# Altium PCB HW_RV_TOUCH_R1M1.PcbDoc (part 5 of 5)
Units mil, origin at the board's own origin, x right, y up, seen from the top; angles counter-clockwise.
Board outline 7086.61 x 4330.71 mil, 6 copper layers (Top Layer, Int1 (GND), Int2 (Sig), Int3 (PWR), Int4 (GND), Bottom Layer), stack 77.316 mil thick; 341 components, 211 nets, 1147 pads, 844 vias.
Unrouted connection lines stored in the file: 123.
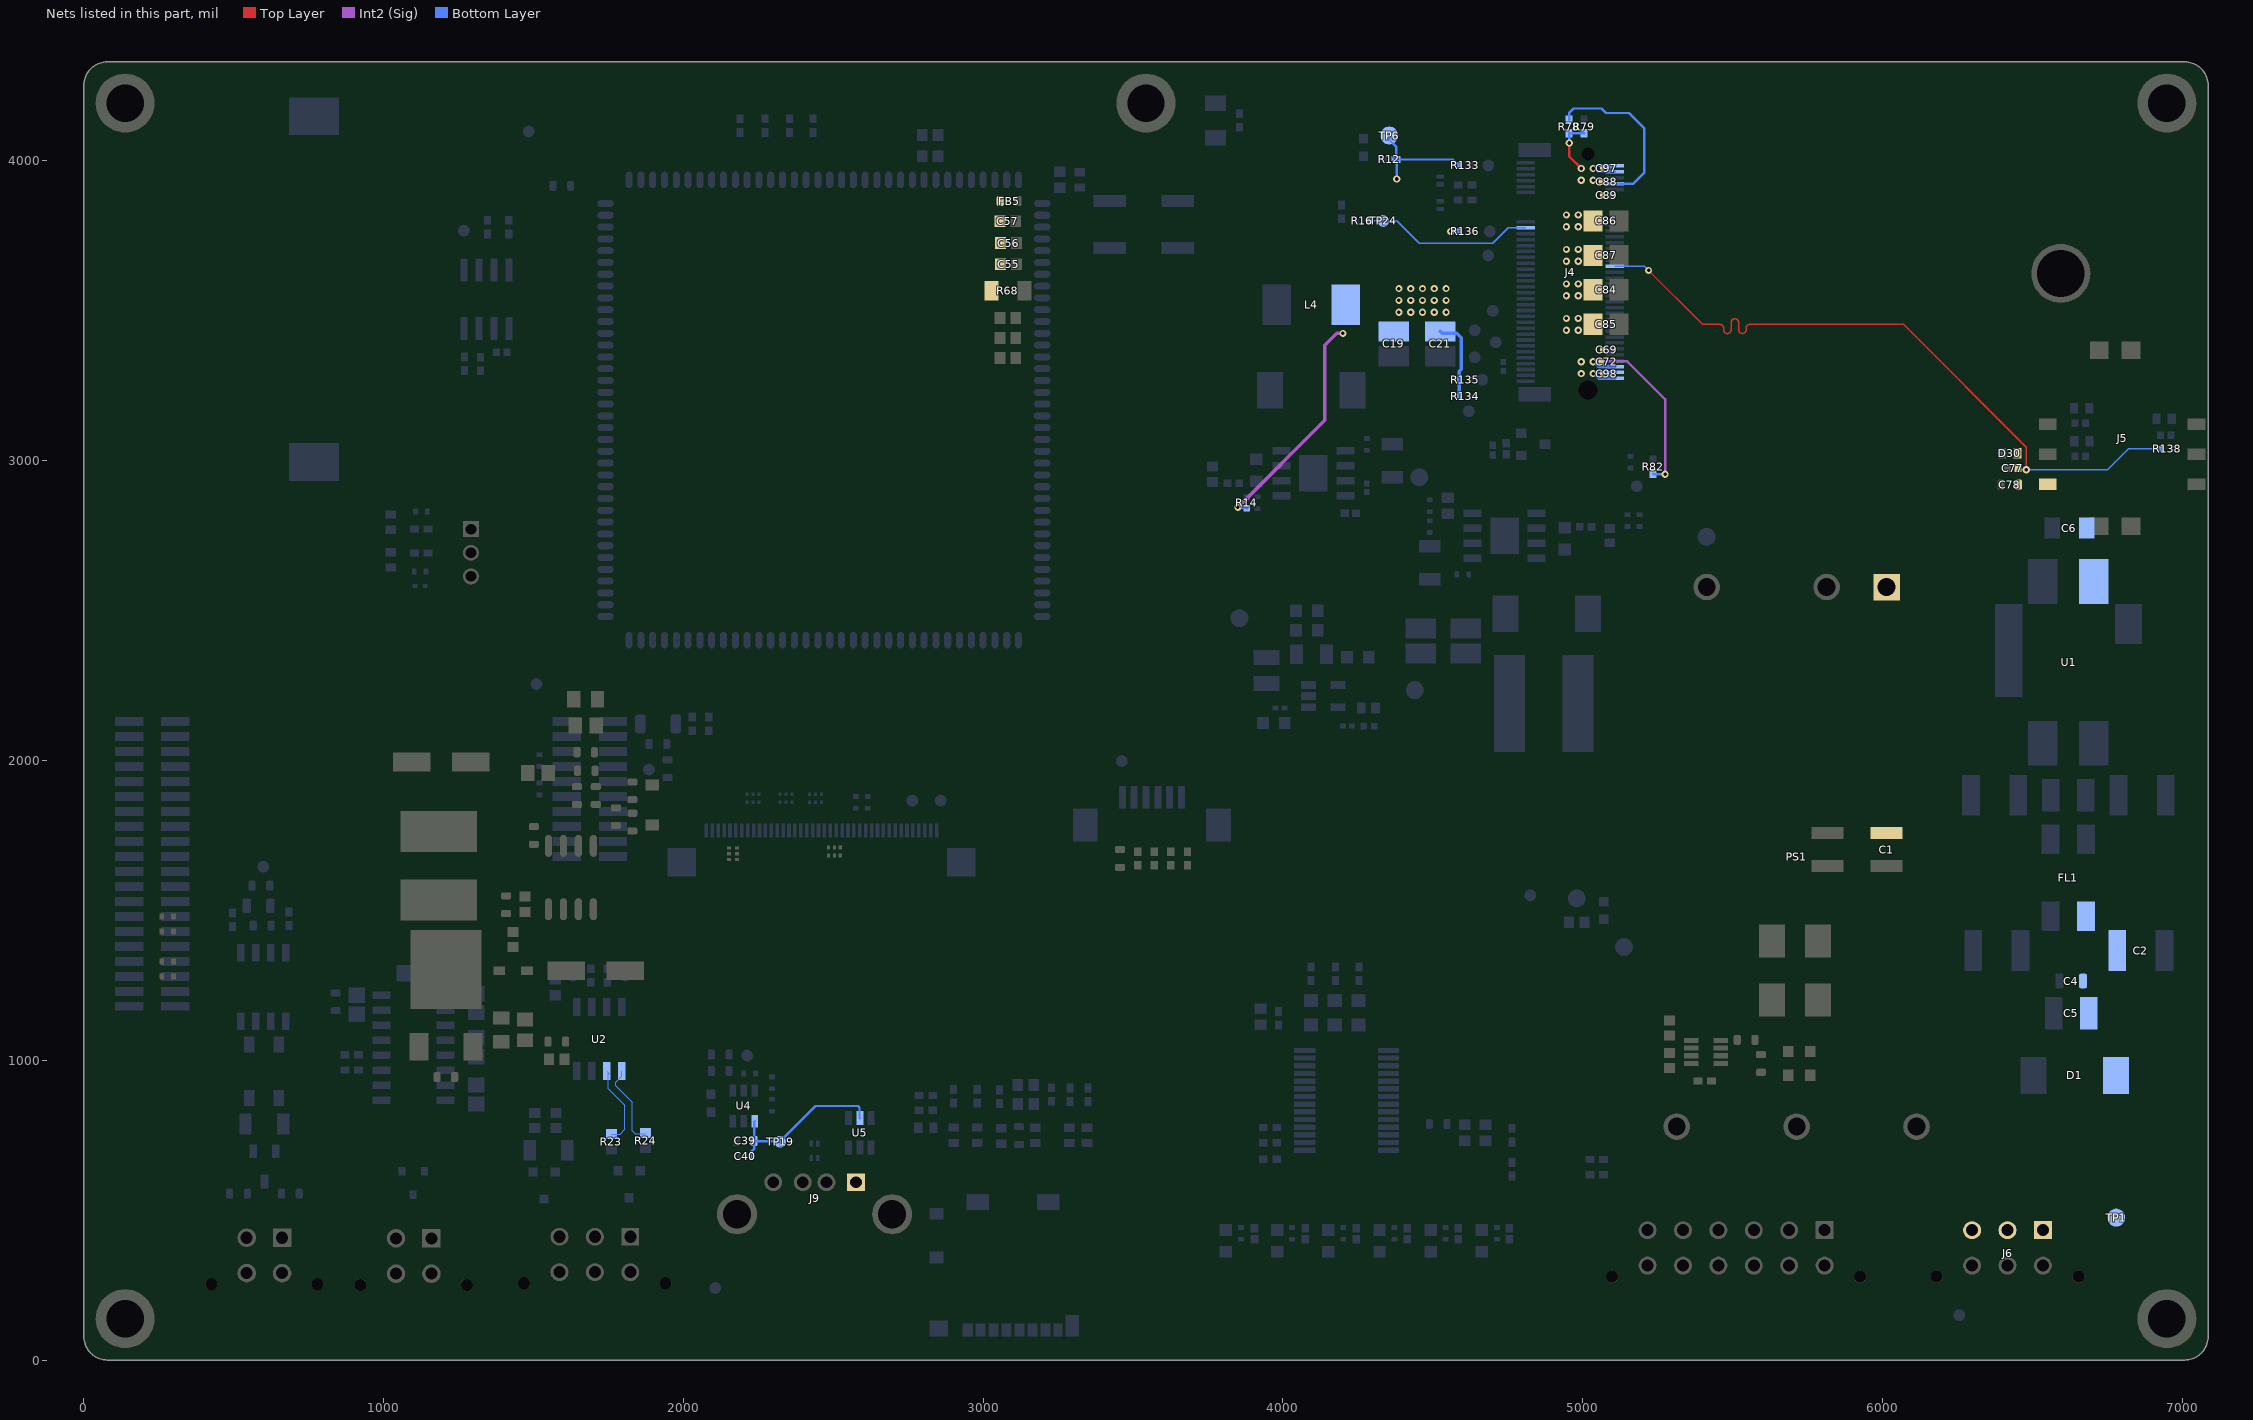
[diagram p9: the nets of this part, all layers, seen from the top]

## Via types
v1: diameter 24.02, hole 12.01, Top Layer to Bottom Layer, tented both sides, 744 vias
v2: diameter 16.14/16.14/16.14/16.14/16.14/16.14 (per signal layer), hole 8.07, Top Layer to Bottom Layer, tented both sides, 71 vias
v3: diameter 16.14, hole 8.07, Top Layer to Bottom Layer, tented both sides, 12 vias
v4: diameter 24.02, hole 12.01, Top Layer to Bottom Layer, 11 vias
v5: diameter 47.24, hole 24.02, Top Layer to Bottom Layer, tented both sides, 6 vias

## Nets (pads, with @x,y where several pads share a name; then routed paths per layer and width w, separated by ;. In a path a pad name is that pad's centre, name@x,y a point inside that pad or via, vN(x,y) a via of type N, cw(c..) or ccw(c..) an arc to the next point about the centre after c; other vN are vias at no path point) (continued)
VCC_GSM: C19.1 C21.1 C69.2 C72.2 C84.1 C85.1 C86.1 C87.1 C88.2 C89.2 C97.1 C98.1 J4.2 J4.4 J4.70 J4.72 J4.74 L4.2 R12.2 R14.2 R78.2 R79.2 R82.2 R133.2 R134.2 R135.2 R136.2 TP6.1 | length 2690.8
  Top Layer w8: v1(4955,4060) 4955,4015.63 v1(4995.63,3975)
  Int2 (Sig) w8: v1(5035,3330) 5036.69,3331.69 5148.31,3331.69 5275,3205 v1(5275,2955)
  Int2 (Sig) w12: v1(3850,2845) 4140,3135 4140,3385 4180,3425 v1(4200,3425)
  Bottom Layer w8: TP6.1@4355,4085 4355,4070.93 4377.64,4048.29 R12.2@4377.64,4005 4380,4002.64 v1(4380,3940) ; R12.2@4366.87,4013.13 4366.87,4012.81 4374.69,4005 4565.63,4005 4579.79,3990.84 4581.76,3990.84 4585.63,3986.97 R133.2@4585.63,3985 ; v1(4560,3765) R136.2@4587.95,3765 ; v1(4955,4060) R78.2@4955,4092.36 R79.2@5005,4092.36 ; v1(5035,3290.63) 5037.2,3292.83 5105.46,3292.83 J4.72@5107.24,3294.61 ; v1(5035,3330) 5050.71,3314.29 J4.70@5107.24,3314.29 ; J4.4@5107.24,3963.9 5050.44,3963.9 5039.33,3975 v1(5035,3975) 5037.83,3975 5046.42,3983.58 J4.2@5107.24,3983.58 ; R82.2@5235,2957.36 5237.36,2955 v1(5275,2955)
  Bottom Layer w12: v1(3850,2845) 3877.28,2845 R14.2@3880,2842.28 ; C21.1@4525,3431.36 4531.36,3425 4580,3425 4595,3410 4595,3305 4587.95,3297.95 R135.2@4587.95,3270 R134.2@4587.95,3215 ; v1(5035,3290.63) 5038.25,3290.63 5053.96,3274.92 J4.74@5107.24,3274.92 ; v1(5035,3330) 5038.25,3330 5053.96,3314.29 J4.70@5107.24,3314.29
  other v1: 4995.63,3290.63 4995.63,3330 4945.63,3435.63 4985,3435.63 4945.63,3475 4985,3475 4386.89,3495.63 4426.26,3495.63 4465.63,3495.63 4505,3495.63 4544.37,3495.63 4386.89,3535 4426.26,3535 4465.63,3535 4505,3535 4544.37,3535 4945.63,3550.63 4985,3550.63 4386.89,3574.37 4426.26,3574.37 4465.63,3574.37 4505,3574.37 4544.37,3574.37 4945.63,3590 4985,3590 4945.63,3665.63 4985,3665.63 4945.63,3705 4985,3705 4945.63,3780.63 4985,3780.63 4945.63,3820 4985,3820 4995.63,3935.63 5035,3935.63
VCC_USB_HOST: C39.2 C40.2 J9.1 TP19.1 U4.1 U5.5 | length 563.2
  Bottom Layer w8: C40.2@2225.99,679.63 2228.67,682.31 2228.67,696.98 2235.84,704.14 C39.2@2235.84,730.82 ; U4.1@2238.79,796.86 2235.84,793.91 C39.2@2235.84,730.82 ; U5.5@2588.58,807.09 2587.6,808.07 2587.6,842.75 2582.91,847.44 2440.94,847.44 2322.83,729.33 TP19.1@2322.83,728.35 2321.6,729.58 2237.07,729.58 C39.2@2235.84,730.82
VDD_SOM: C55.2 C56.2 C57.2 FB5.2 R68.1
VIN: C2.1 C4.2 C5.2 D1.2 FL1.1 J6.1 J6.2 J6.3 TP1.1
VIN_F: C1.1 C6.2 PS1.1 U1.2
VSIM1: C77.2 C78.2 D30.2 J4.36 J5.1 R138.2 | length 2334.1
  Top Layer w5.1: v1(5220,3635) 5400,3455 5430,3455 5457.65,3455 cw(c5457.65,3442.45) 5470.2,3442.45 5470.2,3436.77 ccw(c5482.75,3436.77) 5495.3,3436.77 5495.3,3461.05 cw(c5507.85,3461.05) 5520.4,3461.05 5520.4,3436.77 ccw(c5532.95,3436.77) 5545.5,3436.77 5545.5,3442.45 cw(c5558.05,3442.45) 5558.05,3455 5592.73,3455 6070,3455 6480,3045 v1(6480,2970) 6457.32,2970 C77.2@6452.32,2975
  Top Layer w8: J5.1@6542.13,2921.46 J5.1@6551.97,2921.46
  Bottom Layer w5.1: J4.36@5107.24,3648.94 5206.06,3648.94 v1(5220,3635) ; v1(6480,2970) 6750.96,2970 6820.96,3040 R138.2@6930.31,3040
W_DISABLE#: J4.8 R78.1 | length 567.9
  Bottom Layer w8: R78.1@4955,4137.64 4955,4160 4970,4175 5062.5,4175 5077.5,4160 5155,4160 5205,4110 5205,3960 5169.53,3924.53 J4.8@5107.24,3924.53
WAKE_ON_WWAN#: J4.23 R16.2 TP24.1 | length 577.9
  Bottom Layer w4.7: R16.2@4284.69,3800 TP24.1@4335,3800 4380,3800 4455,3725 4700,3725 4751.89,3776.89 J4.23@4810,3776.89
Y: R24.1 U2.5 | length 279.3
  Bottom Layer w4: U2.5@1794.57,964.03 1794.57,946.81 1775,927.23 1775,915 1830,860 1830,765 1840,755 1871.14,755 R24.1@1874.02,757.87
Z: R23.1 U2.6 | length 285.6
  Bottom Layer w4: U2.6@1755,953.6 U2.6@1744.57,964.03 1750,958.6 1750,905 1805,850 1805,770 1788.94,753.94 R23.1@1759.84,753.94
pads on no net: IC3.7 IC3.8 IC3.9 IC4.1 IC4.2 IC4.3 IC4.7 IC4.8 IC4.11 IC4.14 IC4.27 IC4.28 J1.1 J1.4 J1.23 J1.24 J1.26 J1.29 J1.31 J1.32 J1.35 J1.38 J1.41 J1.42 J2.MP1 J2.MP2 J4.10 J4.20 J4.22 J4.24 J4.26 J4.28 J4.29 J4.31 J4.35 J4.37 J4.40 J4.41 J4.42 J4.43 J4.44 J4.46 J4.47 J4.48 J4.49 J4.50 J4.52 J4.53 J4.54 J4.55 J4.56 J4.58 J4.60 J4.62 J4.64 J4.78 J4.79 J5.5 J6. J7. J10. J11. J12. U3.5 U3.8 U5.1 U5.6 U8.8 U8.9 U8.19 U8.20 U8.22 U8.23 U8.25 U8.26 U8.28 U8.29 U8.30 U8.31 U8.33 U8.34 U8.36 U8.37 U8.38 U8.39 U8.40 U8.42 U8.44 U8.64 U8.71 U8.72 U8.74 U8.76 U8.80 U8.81 U8.82 U8.86 U8.87 U8.88 U8.90 U8.91 U8.92 U8.100 U8.103 U8.110 U8.135 U8.136 U8.138 U8.139

## Polygon pours and split planes (outlines as drawn)
GND on Top Layer "NONET_L-01_P-001" (solid, remove dead copper, pour order 49): 5866.14,1683.07 5885.83,1663.39 5885.83,1505.91 5866.14,1486.22 5738.19,1486.22 5718.5,1505.91 5718.5,1663.39 5738.19,1683.07
SHUNT_A on Top Layer "NONET_L-01_P-001" (solid, remove dead copper, pour order 47): 5799.21,1090.55 5799.21,1000 5784.21,985 5736.22,985 5736.22,913.78 5755,895 5896.34,895 6033.46,757.87 6033.46,708.66 6062.99,679.13 6151.57,679.13 6190.94,718.5 6190.94,1043.31 6033.46,1043.31 5935.04,1141.73 5935.04,1389.96 5840,1485 5746,1485 5718.5,1457.51 5718.5,1141.73 5738.19,1122.05 5767.72,1122.05
NetC6_1 on Top Layer "NONET_L-01_P-001" (solid, remove dead copper, pour order 34): 5860,2660 5895,2625 5895,1735 5870,1710 5760,1710 5730,1740 5730,2615 5775,2660
VIN_F on Top Layer "NONET_L-01_P-001" (solid, remove dead copper, pour order 33): 6075,2660 6105,2630 6105,1745 6072.6,1712.6 5953.45,1712.6 5935,1731.05 5935,2640 5955,2660
LCD_LED_ANODE on Top Layer "NONET_L-01_P-001" (solid, remove dead copper, pour order 16): 1525.59,1348.43 1474.41,1348.43 1464.57,1358.27 1464.57,1393.7 1409.45,1393.7 1409.45,1346.46 1448.82,1307.09 1448.82,1283.46 1482.28,1250 1673.23,1250 1712.6,1289.37 1712.6,1309.06 1742.13,1338.58 1811.02,1338.58 1958.66,1486.22 2795.28,1486.22 2854.33,1545.28 2854.33,1685.04 2846.46,1692.91 2814.96,1692.91 2807.09,1685.04 2807.09,1606.3 2736.22,1535.43 1948.82,1535.43 1801.18,1387.8 1564.96,1387.8
NetC46_2 on Top Layer "NONET_L-01_P-001" (solid, remove dead copper, pour order 14): 1465,1723.86 1495.08,1753.94 1565.94,1753.94 1569.88,1750 1569.88,1671.26 1558.62,1660 1482.72,1660 1465,1677.72
NetD16_2 on Top Layer "NONET_L-01_P-001" (solid, remove dead copper, pour order 12): 1360,1328.74 1404.53,1328.74 1412.4,1320.87 1412.4,1277.56 1404.53,1269.69 1360,1269.69 1360,1185.79 1313.98,1139.76 1087.6,1139.76 1050,1177.36 1050,1403.74 1008.86,1444.88 1008.86,1602.36 1038.39,1631.89 1323.82,1631.89 1360,1595.71
NetFB5_1 on Top Layer "NONET_L-01_P-001" (solid, remove dead copper, pour order 4): 3102.36,3854.33 3110.24,3846.46 3151.46,3846.46 3160,3855 3160,3981.73 3125.98,4015.75 3031.5,4015.75 3023.62,4007.87 3023.62,3913.39 3031.5,3905.51 3086.61,3905.51 3102.36,3889.76
VDD_SOM on Top Layer "NONET_L-01_P-001" (solid, remove dead copper, pour order 1): 3015.83,3885.83 3070.87,3885.83 3078.74,3877.95 3078.74,3622.05 3055.12,3598.43 3055.12,3535.43 3051.18,3531.5 2988.5,3531.5 2985,3535 2985,3855
+5V0 on Top Layer "NONET_L-01_P-001" (solid, remove dead copper, pour order 0): 3086.61,3582.68 3106.3,3602.36 3157.48,3602.36 3161.42,3598.43 3161.42,3523.62 3161.42,3163.54 3154.27,3145.67 3094.49,3145.67 3086.61,3165.35
+12V on Top Layer "NONET_L-01_P-001" (solid, remove dead copper, pour order 35): 5236.22,1259.84 5255.91,1240.16 5521.65,1240.16 5521.65,1171.26 5561.02,1131.89 5659.45,1131.89 5679.13,1151.57 5679.13,1471.46 5639.76,1510.83 5639.76,2588.58 5308.35,2920 4300,2920 4240,2860 4240,2645 4390,2495 4725,2495 5236.22,1983.78
VCC_GSM on Top Layer "VCC_GSM_L01_P059" (solid, pour order 59): 5075,3995 5075,3270 4945,3270 4915,3300 4915,3975 4935,3995
VSIM1 on Top Layer "VSIM1_L01_P090" (solid, pour order 90): 6485,3045 6510,3020 6510,2960 6520,2950 6575,2950 6585,2940 6585,2900 6575,2890 6445,2890 6425,2910 6425,3045
SHUNT_A on Top Layer "NONET_L-01_P-001" (solid, remove dead copper, pour order 46): 6080,1695 6190.94,1584.06 6190.94,718.5 6151.57,679.13 6062.99,679.13 6033.46,708.66 6033.46,1501.54 5930,1605 5930,1670 5955,1695
+12V on Top Layer "NONET_L-01_P-001" (solid, remove dead copper, pour order 13): 1510.83,2229.33 1476.38,2263.78 1248.03,2263.78 1195.87,2211.61 1195.87,1927.17 1136.81,1868.11 1028.54,1868.11 1008.86,1848.43 1008.86,1720.47 1036.42,1692.91 1365.16,1692.91 1392.72,1720.47 1392.72,1873.03 1466.54,1873.03 1510.83,1917.32
LCD_LED_CATHODE on Top Layer "NONET_L-01_P-001" (solid, remove dead copper, pour order 15): 1669.29,2239.17 1669.29,2358.27 1657.48,2370.08 1611.39,2370.08 1585,2343.69 1585,2025 1608.03,2001.97 1660.43,2001.97 1669.29,2010.83
GND on Top Layer "NONET_L-01_P-001" (solid, remove dead copper, pour order 94): 7086.61,2891.77 7084.84,2890 5410,2890 5325,2975 4280,2975 4185,2880 4185,2630 4360,2455 4705,2455 5195,1965 5195,710 5325,580 5585,580 5585,805 5640,860 5785,860 5840,805 5840,5 5835,0 100,0 cw(c100,100) 0,100 0,4230.71 cw(c100,4230.71) 100,4330.71 6986.61,4330.71 cw(c6986.61,4230.71) 7086.61,4230.71
+3V3 on Bottom Layer "NONET_L-01_P-001" (solid, remove dead copper, pour order 83): 2165.35,2165.35 2185.04,2145.67 2185.04,2076.77 2135.83,2027.56 1998.03,2027.56 1978.35,2047.24 1978.35,2066.93 1938.98,2106.3 1938.98,2145.67 1958.66,2165.35
GND on Bottom Layer "NONET_L-01_P-001" (solid, remove dead copper, pour order 82): 1584.65,3956.69 1555.12,3986.22 1486.22,3986.22 1466.54,3966.54 1466.54,3868.11 1486.22,3848.43 1555.12,3848.43 1584.65,3877.95
SOM_3V3OUT on Bottom Layer "NONET_L-01_P-001" (solid, remove dead copper, pour order 80): 2826.77,3909.45 2830.71,3905.51 2854.33,3905.51 2858.27,3909.45 2858.27,3972.44 2870.08,3984.25 2870.08,4106.3 2866.14,4110.24 2830.71,4110.24 2826.77,4106.3
LCD_LED_CATHODE on Bottom Layer "NONET_L-01_P-001" (solid, remove dead copper, pour order 78): 1673.23,2421.26 1653.54,2440.94 1614.17,2440.94 1594.49,2421.26 1594.49,2263.78 1614.17,2244.09 1653.54,2244.09 1673.23,2263.78
CHS_GND on Bottom Layer "NONET_L-01_P-001" (solid, remove dead copper, pour order 70): 6978.35,1958.66 6909.45,1958.66 6899.61,1948.82 6899.61,1742.13 6811.02,1653.54 6348.43,1653.54 6328.74,1673.23 6328.74,1958.66 6318.9,1968.5 6269.69,1968.5 6259.84,1958.66 6259.84,1289.37 6269.69,1279.53 6328.74,1279.53 6348.43,1299.21 6348.43,1535.43 6368.11,1555.12 6368.11,1564.96 6771.65,1564.96 6899.61,1437.01 6899.61,1289.37 6909.45,1279.53 6978.35,1279.53 6988.19,1289.37 6988.19,1948.82
NetC6_1 on Bottom Layer "NONET_L-01_P-001" (solid, remove dead copper, pour order 58): 5792.44,2180 5728.35,2244.09 5728.35,2667.54 5752.33,2696.85 5868.11,2696.85 5885.83,2674.7 5885.83,2460.63 5905.51,2440.94 6072.83,2440.94 6131.89,2500 6131.89,2635.83 6320.87,2824.8 6576.77,2824.8 6594.49,2807.09 6594.49,2476.38 6614.17,2456.69 6759.84,2456.69 6771.65,2468.5 6771.65,2523.62 6779.53,2531.5 6898.5,2531.5 6925,2505 6925,2318.7 6786.3,2180
NetC7_1 on Bottom Layer "NONET_L-01_P-001" (solid, remove dead copper, pour order 42): 6594.49,2135.83 6594.49,1683.07 6584.65,1673.23 6525.59,1673.23 6407.48,1791.34 6407.48,2135.83 6427.17,2155.51 6574.8,2155.51
NetC3_1 on Bottom Layer "NONET_L-01_P-001" (solid, remove dead copper, pour order 41): 6653.54,1673.23 6633.86,1692.91 6633.86,2135.83 6653.54,2155.51 6751.97,2155.51 6771.65,2135.83 6771.65,2047.24 6860.24,1958.66 6860.24,1811.02 6722.44,1673.23
+3V3 on Bottom Layer "NONET_L-01_P-001" (solid, remove dead copper, pour order 40): 1555.12,1307.09 1547.24,1299.21 1547.24,1255.91 1555.12,1248.03 1590.55,1248.03 1657.48,1314.96 1657.48,1385.83 1649.61,1393.7 1633.86,1393.7 1625.98,1385.83 1625.98,1346.46 1586.61,1307.09
VCC_USB_HOST on Bottom Layer "NONET_L-01_P-001" (solid, remove dead copper, pour order 30): 2602.36,633.86 2614.17,622.05 2614.17,523.62 2602.36,511.81 2267.72,511.81 2212.6,566.93 2212.6,751.97 2220.47,759.84 2220.47,822.83 2224.41,826.77 2251.97,826.77 2255.91,822.83 2255.91,566.93 2275.59,547.24 2527.56,547.24 2535.43,555.12 2535.43,633.86
LCD_LED_CATHODE on Bottom Layer "NONET_L-01_P-001" (solid, remove dead copper, pour order 29): 2791.21,1791.34 2791.21,1882.02 2779.53,1893.7 2748.03,1893.7 2736.22,1881.89 2736.22,1822.83 2759.97,1799.09 2759.97,1775.72 2759.84,1775.59 2759.84,1732.28 2755.91,1728.35 2755.91,1700.79 2732.28,1677.17 2732.28,1586.61 2740.16,1578.74 2787.4,1578.74 2795.28,1586.61 2795.28,1728.35 2791.21,1732.41
LCD_LED_ANODE on Bottom Layer "NONET_L-01_P-001" (solid, remove dead copper, pour order 26): 2854.33,1791.34 2885.83,1822.83 2885.83,1877.95 2870.08,1893.7 2838.58,1893.7 2819.02,1874.14 2819.02,1791.34 2818.9,1791.34 2818.9,1734.25 2807.09,1728.35 2807.09,1594.49 2814.96,1586.61 2846.46,1586.61 2854.33,1594.49
GND_IN on Bottom Layer "NONET_L-01_P-001" (solid, remove dead copper, pour order 25): 6440.94,893.7 6322.83,775.59 6322.83,665.35 6338.58,649.61 6551.18,649.61 6566.93,665.35 6566.93,948.82 6610.24,992.13 6610.24,1527.56 6594.49,1543.31 6413.39,1543.31 6385.83,1515.75 6385.83,1326.77 6515.75,1196.85 6515.75,1102.36 6440.94,1027.56
VIN on Bottom Layer "NONET_L-01_P-001" (solid, remove dead copper, pour order 23): 6282.5,492.5 6512.5,492.5 6602.36,582.36 6602.36,942.91 6633.86,974.41 6633.86,1531.5 6645.67,1543.31 6748.03,1543.31 6834.65,1456.69 6834.65,417.32 6792.32,375 6270,375 6245,400 6245,455
NetBAT1_POS on Bottom Layer "NONET_L-01_P-001" (solid, remove dead copper, pour order 22): 1389.76,3374.02 1385.83,3377.95 1366.14,3377.95 1362.2,3374.02 1362.2,3255.91 1169.29,3062.99 685.04,3062.99 681.1,3059.06 681.1,2933.07 685.04,2929.13 1086.61,2929.13 1389.76,3232.28
NetFB5_1 on Bottom Layer "NONET_L-01_P-001" (solid, remove dead copper, pour order 19): 3133.86,4007.87 3125.98,4015.75 3031.5,4015.75 3023.62,4007.87 3023.62,3913.39 3031.5,3905.51 3125.98,3905.51 3133.86,3913.39
NetC13_1 on Bottom Layer "NETC13_1_L06_P017" (solid, pour order 17): 4880,2690 4955,2615 5020,2615 5070,2565 5070,2025 5065,2020 4930,2020 4915,2035 4915,2545 4890,2570 4870,2570 4815,2625 4815,2690
+12V on Bottom Layer "NONET_L-01_P-001" (solid, remove dead copper, pour order 67): 4539.37,2377.95 4543.31,2381.89 4590.55,2381.89 4594.49,2377.95 4594.49,2196.85 4586.61,2188.98 4547.24,2188.98 4539.37,2196.85
+3V3 on Bottom Layer "NONET_L-01_P-001" (solid, remove dead copper, pour order 72): 3720.47,3488.19 3755.91,3523.62 3755.91,3622.05 3775.59,3641.73 3858.27,3641.73 3885.83,3614.17 3885.83,3494.37 3867.78,3471.17 3820.35,3471.17 3775.59,3426.41 3775.59,3393.7 3763.78,3381.89 3685.04,3381.89 3671.26,3395.67 3671.26,3474.41 3685.04,3488.19
+12V on Bottom Layer "+12V_L06_P008" (solid, pour order 8): 4315,2595 4385,2595 4470,2680 4530.87,2680 4559.08,2708.2 4667.25,2708.2 4667.25,2741.8 4531.21,2745.13 4505.24,2771.1 4477.56,2771.1 4455,2793.66 4455,2945 4395,3005 4175,3005 4175,2965 4180,2960 4270,2960 4301.25,2928.75 4301.25,2866.25 4298.01,2863.01 4240,2805 4240,2705 4240,2670
+3V3 on Bottom Layer "3V3_L06_P087" (solid, pour order 87): 4075,2315 4060,2300 3870,2300 3780,2390 3780,2575 3800,2595 4055,2595 4075,2575
NetC12_1 on Bottom Layer "NETC12_1_L06_P088" (solid, pour order 88): 4030,3020 3955,3020 3883.93,3091.07 3883.93,3645 4020,3645 4029.39,3635.61
VCC_GSM on Bottom Layer "VCC_GSM_L06_P089" (solid, pour order 89): 4160,3610 4160,3420 4195,3385 4585,3385 4585,3610 4575,3620 4175,3620
+5V0 on Bottom Layer "+5V0_L06_P086" (solid, pour order 86): 4495,2210 4360,2210 4335,2235 4155,2235 4155,2275 4160,2280 4240,2280 4255,2295 4255,2375 4270,2390 4775,2390 4810,2355 4810,2030 4675,2030
VCC_GSM on Bottom Layer "VCC_GSM_L06_P091" (solid, pour order 91): 5145,3995 5145,3955 5140,3950 5060,3950 5050,3940 5050,3915 5040,3905 4980,3905 4965,3920 4965,3990 4970,3995
VIN_F on Bottom Layer "NONET_L-01_P-001" (solid, remove dead copper, pour order 43): 6732.28,2942.91 6790,2885.2 6790,2547.87 6742.13,2500 6630,2500 6630,2848.35 6624.02,2854.33 6279.53,2854.33 6095,2669.8 6095,2510.63 6064.69,2480.32 5964.57,2480.32 5925,2519.88 5925,2686.81 6181.1,2942.91
AGND on Bottom Layer "NONET_L-01_P-001" (solid, remove dead copper, pour order 85): 2066.93,4307.09 2043.31,4330.71 1641.73,4330.71 1606.3,4295.28 1606.3,3161.42 1629.92,3137.8 1834.65,3137.8 1850.39,3153.54 1850.39,3657.48 2066.93,3874.02
CHS_GND on Bottom Layer "NONET_L-01_P-001" (solid, remove dead copper, pour order 84): 3608.08,4142.01 3608.08,4217.67 3870,4217.67 3870,4142.01
VCC_GSM on Bottom Layer "VCC_GSM_L06_P093" (solid, pour order 93): 5135,3325 5140,3320 5140,3270 5135,3265 4955,3265 4945,3275 4945,3340 4960,3355 5040,3355 5070,3325 5140,3325
+3V3 on Bottom Layer "+3V3_L06_P005" (solid, pour order 5): 1810,2175 1810,2025 1573.98,2025 1560.21,2011.24 1525,2046.45 1525,2210 1595,2210 1600,2215 1640,2175
GND on Bottom Layer "GND_L-01_P-001" (solid, remove dead copper, pour order 95): 6280,195 6315,160 6315,0 100,0 cw(c100,100) 0,100 0,4230.71 cw(c100,4230.71) 100,4330.71 1559.05,4330.71 1594.49,4295.28 1594.49,3159.45 1627.95,3125.98 1846.46,3125.98 1870.08,3149.61 1870.08,3653.54 2078.74,3862.2 2078.74,4307.09 2102.36,4330.71 6986.61,4330.71 cw(c6986.63,4230.72) 7086.61,4230.71 7086.61,3060.11 6015.11,3060.11 5625,2670 5625,845 5760,845 6110,495 6110,195
+3V3 on Int3 (PWR) "NONET_L-01_P-001" (solid, remove dead copper, pour order 76): 5909.45,244.09 5889.48,263.78 5889.48,1393.42 5956.69,1460.63 6748.03,1460.63 6791.34,1503.94 6791.34,2813.39 ccw(c6691.34,2813.39) 6691.34,2913.39 6338.58,2913.39 cw(c6338.58,3011.81) 6240.16,3011.81 6240.16,3996.06 ccw(c6181.1,3996.06) 6181.1,4055.12 375.59,4055.12 ccw(c375.59,3955.12) 275.59,3955.12 275.59,98.43 ccw(c314.96,98.43) 314.96,59.06 6732.28,59.06 ccw(c6732.28,118.11) 6791.34,118.11 6791.34,204.25 6751.49,244.09
LCD_LED_CATHODE on Int3 (PWR) "NONET_L-01_P-001" (solid, remove dead copper, pour order 18): 2551.18,1653.54 2625.98,1728.35 2779.53,1728.35 2795.28,1712.6 2795.28,1606.3 2744.09,1555.12 1838.58,1555.12 1610.24,1783.46 1610.24,2358.27 1622.05,2370.08 1728.35,2370.08 1755.91,2342.52 1755.91,1885.83 1988.19,1653.54
GND_IN on Int3 (PWR) "NONET_L-01_P-001" (solid, remove dead copper, pour order 9): 5929.13,279.53 5897.64,311.02 5897.64,1374.02 5960.63,1437.01 6748.03,1437.01 6807.09,1377.95 6807.09,303.15 6783.46,279.53
NetFB4_2 on Int3 (PWR) "NONET_L-01_P-001" (solid, remove dead copper, pour order 10): 3062.99,972.44 3094.49,940.94 3147.12,940.94 3178.61,972.44 3397.64,972.44 3415.35,954.72 3415.35,679.13 3385.83,649.61 2785.43,649.61 2755.91,679.13 2755.91,954.72 2773.62,972.44
CHS_GND on Int3 (PWR) "NONET_L-01_P-001" (solid, remove dead copper, pour order 75): 6750.39,2972.44 cw(c6750.39,2872.44) 6850.39,2872.44 6850.39,137.8 ccw(c6948.82,137.8) 6948.82,39.37 ccw(c6948.82,137.79) 7047.24,137.8 7047.24,4192.91 ccw(c6948.82,4192.91) 6948.82,4291.34 137.8,4291.34 ccw(c137.79,4192.91) 39.37,4192.91 39.37,137.8 ccw(c137.79,137.8) 137.8,39.37 ccw(c137.8,137.79) 236.22,137.8 236.22,3994.49 cw(c336.22,3994.49) 336.22,4094.49 6114.17,4094.49 6195.28,4094.49 cw(c6195.28,3994.49) 6295.28,3994.49 6295.28,3072.44 ccw(c6395.28,3072.44) 6395.28,2972.44
VCC_GSM on Int3 (PWR) "NONET_L-01_P-001" (solid, remove dead copper, pour order 27): 4655,3840 4580,3915 4580,3945 4565,3960 4375,3960 4344.49,3929.49 4344.49,3879.49 4344.49,3428.15 4387.64,3385 5075,3385 5139.76,3449.76 5139.76,3770.24 5070,3840
+5V0 on Int3 (PWR) "NONET_L-01_P-001" (solid, remove dead copper, pour order 61): 4645,2345 4620,2370 3206,2375.29 3206,3310.75 3086.61,3310.75 3086.61,1177.17 3051.18,1141.73 1972.44,1141.73 1944.88,1114.17 1944.88,677.17 1972.44,649.61 2641.73,649.61 2669.29,677.17 2669.29,1007.87 2691.42,1030 3170,1030 3275.59,1135.59 3275.59,1785.59 3440,1950 4640,1950 4645,1955
+12V on Int3 (PWR) "NONET_L-01_P-001" (solid, remove dead copper, pour order 50): 344.34,992.13 846.46,992.13 937.01,1082.68 937.01,2208.66 996.06,2267.72 1472.44,2267.72 1507.87,2232.28 1507.87,696.85 1732.28,472.44 5196.85,472.44 5236.22,511.81 5236.22,1903.78 4620,2520 4389.45,2520 4249.99,2659.45 4249.99,2849.99 4295,2895 4875,2895 5500,2270 5500,897.64 5856.3,541.34 5856.3,246.06 5807.09,196.85 393.7,196.85 344.49,246.06 344.49,440.69 344.34,440.84
GND on Int1 (GND) "NONET_L-01_P-001" (solid, remove dead copper, pour order 55): 6986.61,4330.71 cw(c6986.61,4230.71) 7086.61,4230.71 7086.61,100 cw(c6986.61,100) 6986.61,0 100,0 cw(c100,100) 0,100 0,4230.71 cw(c100,4230.71) 100,4330.71
GND on Int4 (GND) "NONET_L-01_P-001" (solid, remove dead copper, pour order 57): 6986.61,4330.71 cw(c6986.61,4230.71) 7086.61,4230.71 7086.61,100 cw(c6986.61,100) 6986.61,0 100,0 cw(c100,100) 0,100 0,4230.71 cw(c100,4230.71) 100,4330.71
GND on Int2 (Sig) "NONET_L-01_P-001" (solid, remove dead copper, pour order 77): 100,4330.71 ccw(c100,4230.71) 0,4230.71 0,100 ccw(c100,100) 100,0 6986.61,0 ccw(c6986.61,100) 7086.61,100 7086.61,4230.71 ccw(c6986.61,4230.71) 6986.61,4330.71

## Keep-outs
Bottom Layer:
  region: 4900,2350 4825,2350 4825,2035 4905,2035

## Other copper
Bottom Layer:
  pour cut-out: 1896.72,737.43 1896.72,646.72 1785,535 1785,310 1710,235 1580,235 1485,330 1485,970 1905.96,970
  pour cut-out: 1029.13,1143.73 1034.03,1140.46 1036.9,1136.16 1048.06,1136.16 1050.93,1135.59 1053.84,1135.01 1056.13,1134.06 1058.59,1132.42 1061.03,1130.79 1148.79,1043.03 1150.43,1040.58 1152.06,1038.13 1153.02,1035.83 1153.71,1032.36 1154.16,1030.06 1154.16,657.14 1158.31,654.37 1161.58,649.48 1162.73,643.7 1162.73,626.98 1172.41,617.3 1174.05,614.85 1175.69,612.4 1176.64,610.11 1177.33,606.63 1177.79,604.33 1177.79,452.1 1190.35,452.1 1196.13,450.95 1201.02,447.68 1204.3,442.78 1205.44,437.01 1205.44,375.2 1204.3,369.42 1201.02,364.53 1196.13,361.26 1190.35,360.11 1128.54,360.11 1122.77,361.26 1117.87,364.53 1114.6,369.42 1113.45,375.2 1113.45,437.01 1114.6,442.78 1117.87,447.68 1122.77,450.95 1128.54,452.1 1141.11,452.1 1141.11,596.74 1136.8,601.05 1124.02,601.05 1118.24,602.2 1113.35,605.47 1110.07,610.37 1108.93,616.14 1108.93,643.7 1110.07,649.48 1113.35,654.37 1117.49,657.14 1117.49,1022.46 1040.47,1099.49 1037.51,1099.49 1037.3,1098.42 1034.03,1093.53 1029.13,1090.26 1023.36,1089.11 963.32,1089.11 957.54,1090.26 952.65,1093.53 949.38,1098.42 948.23,1104.2 948.23,1129.79 949.38,1135.56 952.65,1140.46 957.54,1143.73 963.32,1144.88 1023.36,1144.88
  pour cut-out: 1029.13,1093.73 1034.03,1090.46 1037.3,1085.56 1037.36,1085.27 1039.37,1085.27 1042.24,1084.7 1045.14,1084.12 1047.44,1083.17 1048.43,1082.51 1052.34,1079.9 1073.99,1058.24 1075.62,1055.8 1077.26,1053.35 1078.21,1051.05 1078.9,1047.57 1079.36,1045.28 1079.36,657.14 1083.5,654.37 1086.78,649.48 1087.92,643.7 1087.92,616.14 1086.78,610.37 1083.5,605.47 1078.61,602.2 1072.83,601.05 1060.06,601.05 1059.68,600.67 1059.68,448.29 1062.7,447.04 1064.34,445.94 1066.11,445.07 1072.57,440.12 1073.87,438.63 1075.35,437.33 1080.31,430.87 1081.18,429.1 1082.28,427.46 1085.39,419.95 1085.77,418.01 1086.41,416.14 1087.47,408.07 1087.34,406.1 1087.47,404.13 1086.41,396.06 1085.77,394.2 1085.39,392.26 1082.28,384.74 1081.18,383.1 1080.31,381.33 1075.35,374.87 1073.87,373.57 1072.57,372.09 1066.11,367.13 1064.34,366.26 1062.7,365.17 1055.18,362.05 1053.25,361.67 1051.38,361.03 1043.31,359.97 1041.34,360.1 1039.37,359.97 1031.3,361.03 1029.43,361.67 1027.5,362.05 1019.98,365.17 1018.34,366.26 1016.57,367.13 1010.11,372.09 1008.81,373.57 1007.32,374.87 1002.37,381.33 1001.5,383.1 1000.4,384.74 997.29,392.26 996.9,394.2 996.27,396.06 995.21,404.13 995.33,406.1 995.21,408.07 996.27,416.14 996.9,418.01 997.29,419.95 1000.4,427.46 1001.5,429.1 1002.37,430.87 1007.32,437.33 1008.81,438.63 1010.11,440.12 1016.57,445.07 1018.34,445.94 1019.98,447.04 1023,448.29 1023,608.27 1023.57,611.13 1024.15,614.04 1025.1,616.34 1026.74,618.79 1028.37,621.23 1034.12,626.98 1034.12,643.7 1035.27,649.48 1038.54,654.37 1042.69,657.14 1042.69,1037.68 1035.15,1045.21 1034.03,1043.53 1029.13,1040.26 1023.36,1039.11 963.32,1039.11 957.54,1040.26 952.65,1043.53 949.38,1048.42 948.23,1054.2 948.23,1079.79 949.38,1085.56 952.65,1090.46 957.54,1093.73 963.32,1094.88 1023.36,1094.88
  pour cut-out: 1539.37,688.86 1539.27,688.7 1539.26,688.7 1531.58,681.02 1529.84,679.86 1526.68,677.75 1526.28,677.58 1526.64,677.35 1527.85,676.54 1528.81,675.9 1535.33,669.38 1535.33,669.37 1535.43,669.22 1535.54,669.37 1535.54,669.38 1542.06,675.9 1543.8,677.06 1545.86,678.43 1546.95,679.17 1548.18,679.67 1548.94,679.83 1548.9,679.86 1547.16,681.02 1539.48,688.7
  pour cut-out: 1510.55,741.8 1503.89,741.8 1507.05,737.07 1508.2,731.3 1508.2,709.74 1510.55,709.74
  pour cut-out: 602.42,615.09 567.21,579.88 569.64,576.24 571.42,571.94 588.49,571.94 592.21,571.2 594.26,570.79 595.49,570.28 597.67,568.82 600.38,567.01 602.26,565.14 602.36,564.98 602.47,565.14 604.34,567.01 606.38,568.37 609.24,570.28 610.46,570.79 613.84,571.46 616.24,571.94 633.3,571.94 635.08,576.24 637.52,579.88 602.66,614.74
  pour cut-out: 602.36,777.54 602.26,777.38 600.38,775.51 598.35,774.15 595.49,772.24 594.26,771.73 592.21,771.32 588.49,770.58 575.13,770.58 575.13,752.95 573.98,747.18 570.71,742.28 566.9,739.74 568.2,737.8 568.93,736.7 569.44,735.47 569.81,733.59 577.76,733.59 583.53,732.44 588.43,729.17 591.7,724.28 592.85,718.5 592.85,711.86 594.45,711.54 595.68,711.03 597.86,709.57 600.57,707.76 602.45,705.89 602.55,705.73 602.66,705.89 604.53,707.76 606.56,709.12 609.43,711.03 610.65,711.54 611.88,711.78 611.88,718.5 613.03,724.28 616.3,729.17 621.19,732.44 626.97,733.59 634.91,733.59 635.29,735.47 635.79,736.7 637.82,739.74 634.01,742.28 630.74,747.18 629.6,752.95 629.6,770.58 616.24,770.58 613.84,771.06 610.46,771.73 609.24,772.24 607.05,773.7 604.34,775.51 602.47,777.38
  pour cut-out: 573.54,833.27 570.49,832.67 570.71,832.52 573.54,828.28
  pour cut-out: 631.18,832.49 631.18,828.28 633.9,832.35 631.89,832.35
  pour cut-out: 432 vertices and 0 holes, not listed, extent 497.17,361.74 707.41,915.68

## Silkscreen, mask and mechanical layers (free items; w line width, h text height)
Top Overlay:
  text "HW_HOLLAND_NCDM_MONITOR_R1" at 257.02,3878.04 h78.74
  text "SIM CARD" at 6994.26,3404.36 h39.37
Bottom Overlay:
  drawing of 28 lines, arcs and shapes, not listed
  text "0     1" at 2288.98,4233.88 h40
  text "0     1" at 2454.33,4233.88 h40
  text "BTSEL1" at 2292.92,4186.64 h40
  text "BTSEL0" at 2458.27,4186.64 h40
  text "RST" at 3630.87,3616.27 h40
  text "CR2032" at 360.2,3569.02 h40
  text "TX" at 1490.06,2746.47 h40
  text "RX" at 1490.06,2667.73 h40
  text "GND" at 1505.31,2590.01 h40
  text "DEBUG" at 1375.23,2482.69 h40
  text "C" at 4109.49,1360.91 h40
  text "B" at 4192.17,1360.91 h40
  text "A" at 4266.97,1360.91 h40
  text "TRIM UP" at 4991.27,836.86 h39.37 r90
  text "SW" at 6605.66,675.17 h39.37
  text "PWR IN" at 6503.62,646.05 h39.37
  text "TRIM DOWN" at 4991.27,620.32 h39.37 r90
  text "+" at 6361.57,608.24 h39.37
  text "+" at 6475.74,608.24 h39.37
  text "+" at 6597.79,608.24 h39.37
  text "-" at 6361.57,541.31 h39.37
  text "-" at 6475.74,541.31 h39.37
  text "-" at 6597.79,541.31 h39.37
  text "BTN6" at 5194.34,536.89 h39.37 r270
  text "BTN5" at 5312.45,536.89 h39.37 r270
  text "BTN4" at 5430.56,536.89 h39.37 r270
  text "BTN3" at 5548.67,536.89 h39.37 r270
  text "BTN2" at 5666.78,536.89 h39.37 r270
  text "BTN1" at 5785.28,536.22 h39.37 r270
  text "Micro SD" at 3307.91,206.44 h40 r270
  text "BUTTON" at 5974.88,152.58 h39.37 r270
  text "USB HOST" at 2701.61,151.32 h40 r270
  text "PWR" at 1920.28,116.55 h40
  text "A" at 1601.02,113.76 h40
  text "Z" at 1716.02,113.76 h40
  text "H" at 571.67,100.8 h40
  text "L" at 686.91,100.8 h40
  text "RX" at 1064.87,92.93 h40
  text "TX" at 1181.9,92.93 h40
  text "POWER IN" at 6670.23,72.87 h39.37 r270
  text "B" at 1601.02,63.76 h40
  text "Y" at 1716.02,63.76 h40
  text "GND" at 587.26,57.5 h40
  text "PWR" at 703.75,57.5 h39.37
  text "GND" at 1071.51,49.62 h40
  text "PWR" at 1191.94,49.62 h39.37
  text "GND" at 1921.9,49.62 h40
  text "RS422" at 1706.07,8.76 h40
  text "RS232" at 1156.85,6.32 h40
  text "CAN BUS" at 702.3,-3.55 h40
Mechanical 1:
  lines w7.87: 3346.46,1515.75 3779.53,1515.75 3779.53,1751.97 3346.46,1751.97 3346.46,1515.75
Mechanical 16:
  lines w7.87: 0,80.65 ccw(c80.65,80.65) 80.65,0 7005.96,0 ccw(c7005.96,80.65) 7086.61,80.65 7086.61,4250.06 ccw(c7005.96,4250.06) 7005.96,4330.71 6811.02,4330.71 196.85,4330.71 80.65,4330.71 ccw(c80.65,4250.06) 0,4250.06 0,80.65 ; 1988.19,1216.54 2933.07,1216.54 2933.07,1452.76 1988.19,1452.76 1988.19,1216.54 ; 3346.46,1216.54 3346.46,1452.76 3779.53,1452.76 3779.53,1216.54 3346.46,1216.54
  lines w10: 2805,1495 2825,1495 2800,1520 2800,1490 2985,1675 ; 3175,1665 3340,1500 ; 3340,1500 3305,1500 3310,1505 3340,1535 3340,1500
  text "CUTOUT AREA" at 2711.91,1706.94 h196.85

## Dimensions
0,-433.07 to 7086.61,-433.07 on Mechanical 16
-236.22,4330.71 to -393.7,0 on Mechanical 16
0,4251.97 to 7086.61,4251.97 on Mechanical 1
78.74,4330.71 to 78.74,0 on Mechanical 1

## Text inside footprints (layer, text, board x,y; h text height)
J1: Bottom Overlay "1" at 2095.95,1812.13 h39.37
J2: Bottom Overlay "1" at 3532.44,1920.4 h40
J6: Mechanical 13 "NPTH D1.02 +/- 0.05" at 6161.42,678.74 h19.68 r180; Mechanical 13 "PTH D1.02 +/- 0.05" at 6161.42,648.43 h19.68 r180
J9: Mechanical 13 "PCB EDGE" at 2024.5,-5.91 h39.37
J10: Mechanical 13 "NPTH D1.02 +/- 0.05" at 1448.82,656.89 h19.68 r180; Mechanical 13 "PTH D1.02 +/- 0.05" at 1330.71,673.23 h19.68 r180
J12: Mechanical 13 "PTH D1.02 +/- 0.05" at 5078.74,648.43 h19.68 r180; Mechanical 13 "NPTH D1.02 +/- 0.05" at 5078.74,678.74 h19.68 r180
MTG1: Mechanical 12 "NO ROUTE" at 206.73,4078.98 h19.68; Mechanical 12 "NO ROUTE" at 216.73,4288.98 h19.68
MTG2: Mechanical 12 "NO ROUTE" at 7027.75,4288.98 h19.68; Mechanical 12 "NO ROUTE" at 7017.76,4078.98 h19.68
MTG3: Mechanical 12 "NO ROUTE" at 206.73,23.86 h19.68; Mechanical 12 "NO ROUTE" at 216.73,233.86 h19.68
MTG4: Mechanical 12 "NO ROUTE" at 7017.76,23.86 h19.68; Mechanical 12 "NO ROUTE" at 7027.76,233.86 h19.68
MTG6: Mechanical 12 "NO ROUTE" at 3612.24,4078.98 h19.68; Mechanical 12 "NO ROUTE" at 3622.24,4288.98 h19.68